# Altium PCB HSBNE-MOTOR.PcbDoc (part 1 of 3)
Units mm, origin at the board's own origin, x right, y up, seen from the top; angles counter-clockwise.
Board outline 150.03 x 100.03 mm, 2 copper layers (Top Layer, Bottom Layer); 144 components, 160 nets, 777 pads, 571 vias.
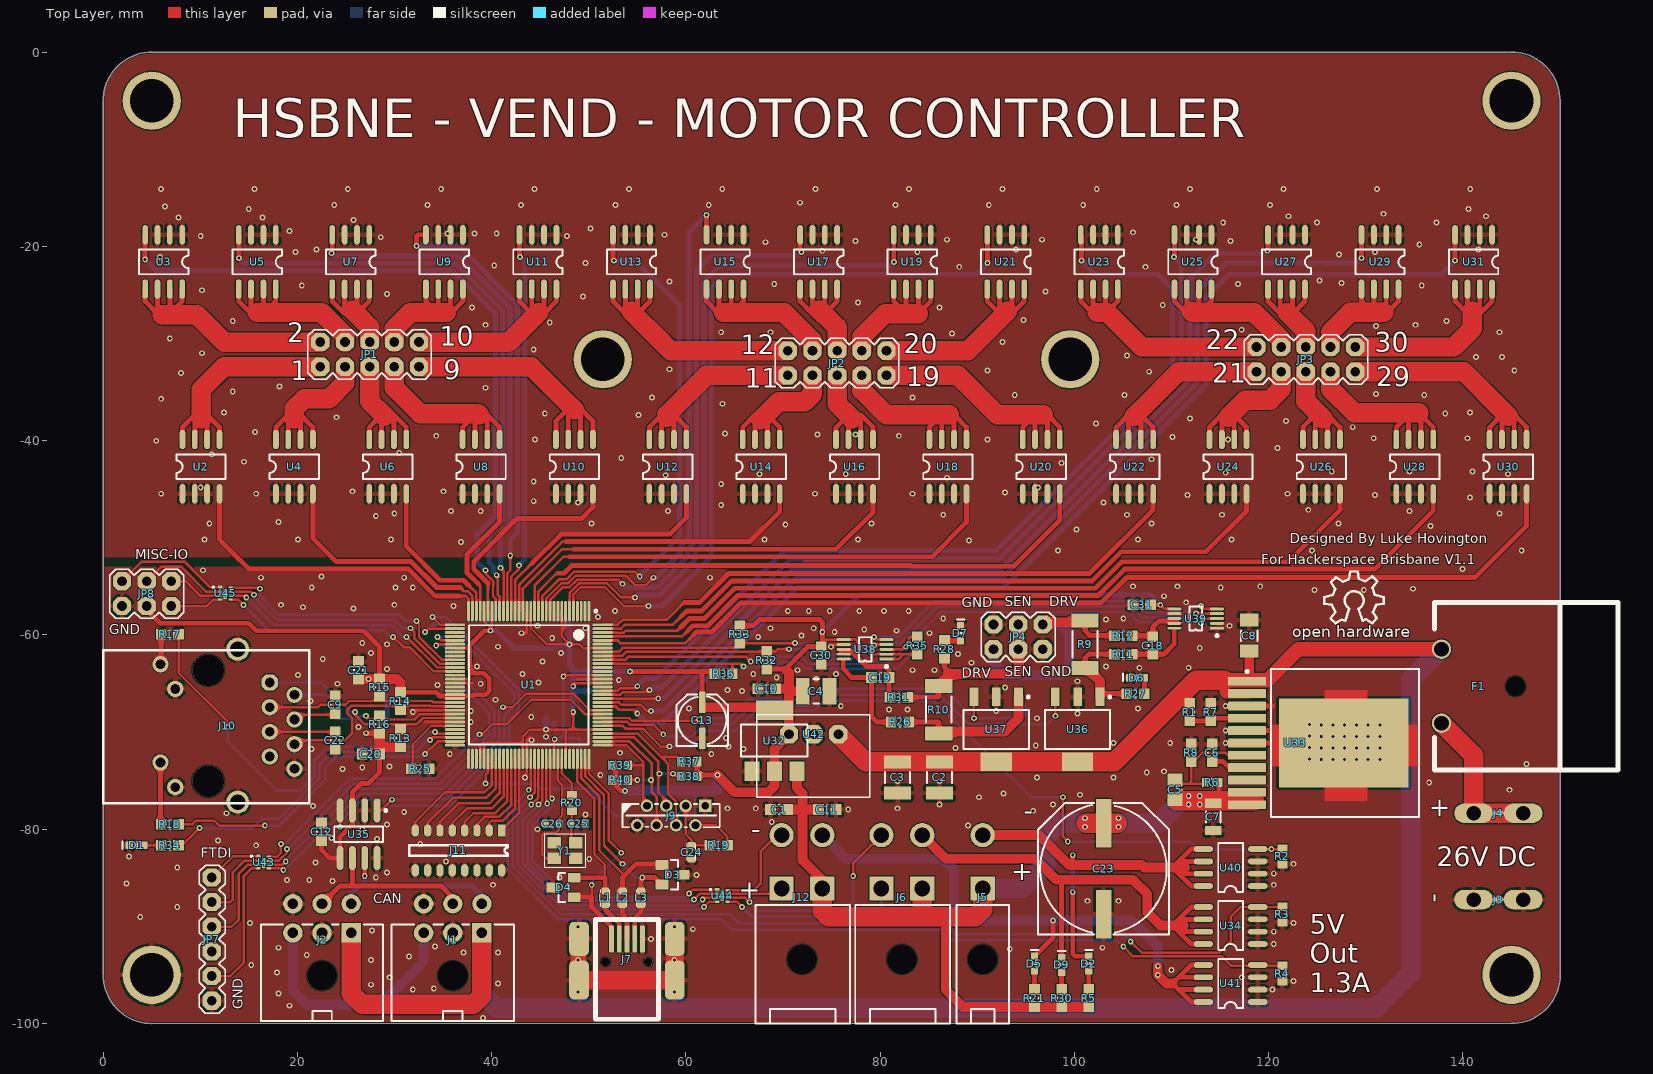
[diagram p0: Top Layer view]
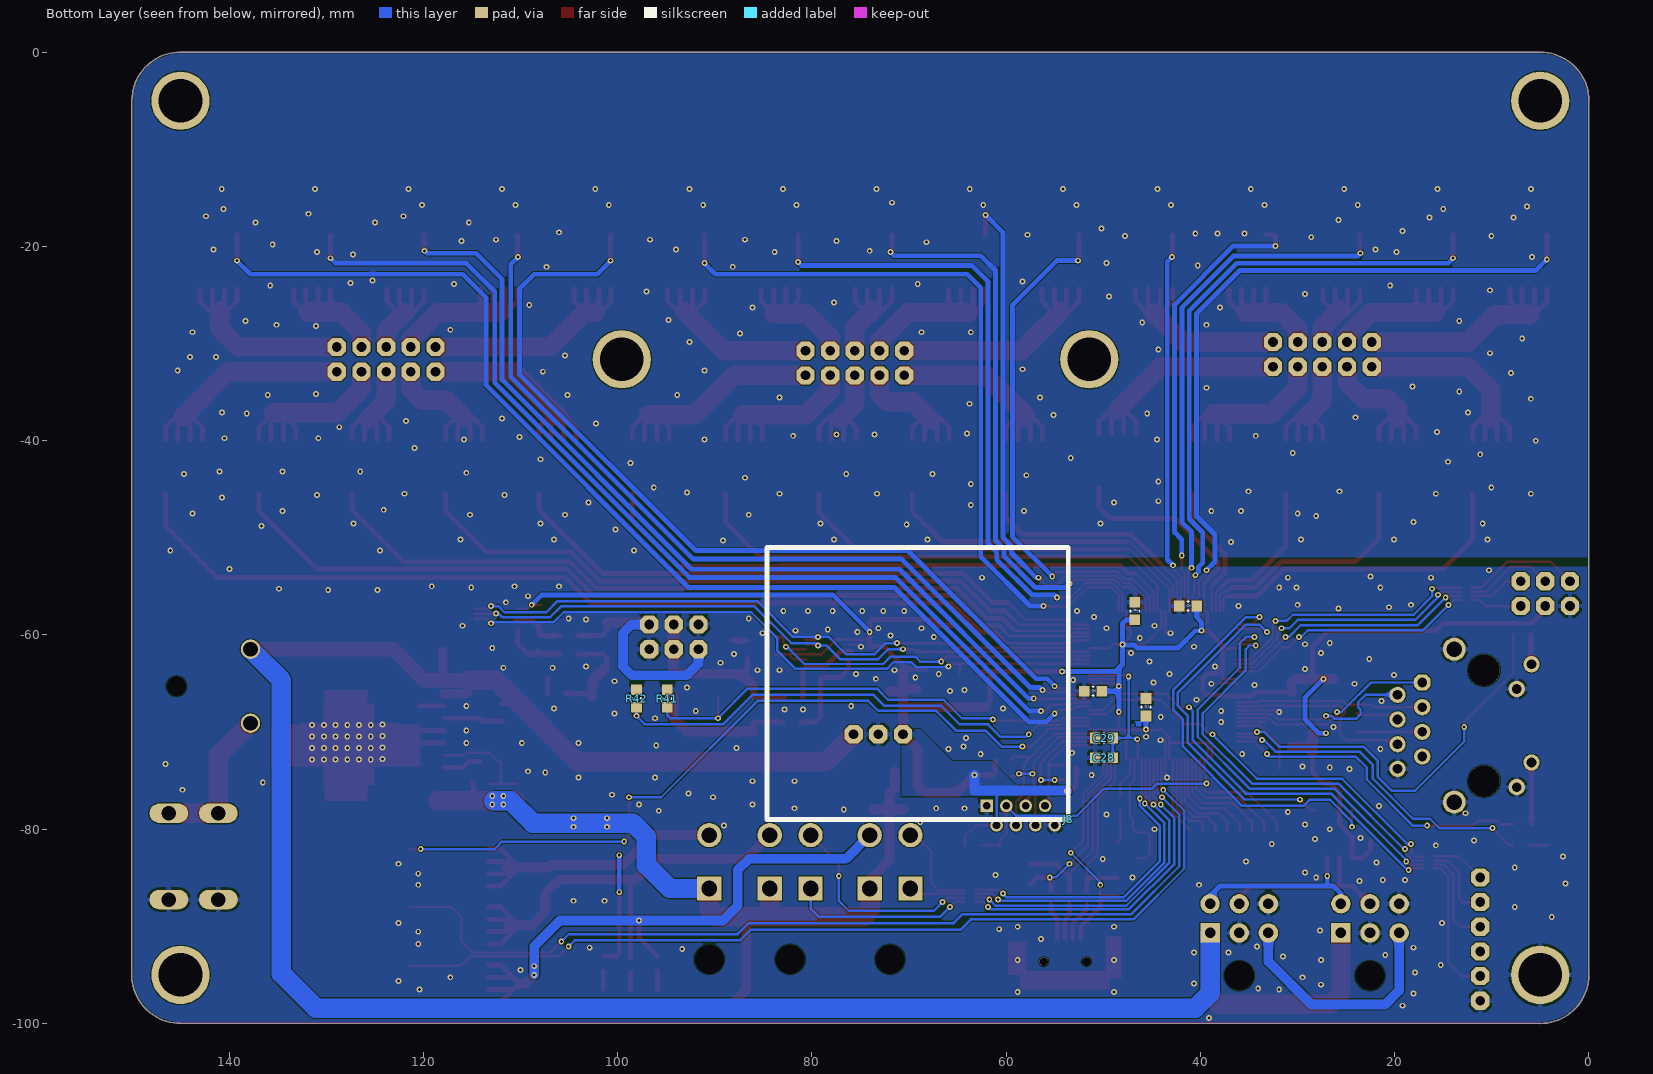
[diagram p1: Bottom Layer view, seen from below]

## Layer stack, top to bottom
Top Solder: solder mask 0.0102, Solder Resist, Dk 3.5
Top Layer: signal copper 0.0356
Dielectric 1: dielectric 0.32, FR-4, Dk 4.8
Bottom Layer: signal copper 0.0356
Bottom Solder: solder mask 0.0102, Solder Resist, Dk 3.5

## Board outline
5.004,-100.013 cw(c5.004,-95.013) 0.004,-95.013 0,-95 0,-5 -0.013,-5.004 cw(c4.987,-5.004) 4.987,-0.004 5,0 145,0 144.996,0.013 cw(c144.996,-4.987) 149.996,-4.987 150,-5 150,-95 150.013,-94.996 cw(c145.013,-94.996) 145.013,-99.996 145,-100

## Design rules (kind name [scope] priority, off if disabled: settings)
Clearance Micro [InComponent('U1') vs InNetClass('All Nets')] p1: gap=0.1 ignorepadtopadclearanceinfootprint=FALSE
Clearance [All] p2: gap=0.1 ignorepadtopadclearanceinfootprint=FALSE
ComponentClearance 3v3 [InComponent('U32') vs InComponent('U42')] p1: gap=0 collisioncheckmode=3 verticalgap=0 showdistances=FALSE
ComponentClearance [All] p2: gap=0.254 collisioncheckmode=3 verticalgap=0.254 showdistances=FALSE
DiffPairsRouting [All] p1: maxlimit=0.254 minlimit=0.254 mostfreqgap=0.254 toplayer_minwidth=0.254 toplayer_maxwidth=0.5 toplayer_prefwidth=0.381 bottomlayer_minwidth=0.254 bottomlayer_maxwidth=0.5 bottomlayer_prefwidth=0.381 maxuncoupledlength=12.7
HoleSize [All] p1: absolutevalues=TRUE maxlimit=4.5 minlimit=0.025 maxpercent=80.000 minpercent=20.000
MinimumSolderMaskSliver [All] p1: minsoldermaskwidth=0.2
PlaneClearance [All] p1: clearance=2
PlaneConnect [All] p1: planeconnectstyle=Relief reliefexpansion=0.508 reliefentries=4 reliefconductorwidth=0.5 reliefairgap=0.254
PolygonConnect via [All vs isvia] p1: connectstyle=Direct reliefconductorwidth=0.254 reliefentries=4 polygonreliefangle="90 Angle" airgapwidth=0.254
PolygonConnect [All] p2: connectstyle=Relief reliefconductorwidth=0.5 reliefentries=4 polygonreliefangle="90 Angle" airgapwidth=0.254
RoutingVias [All] p1: holewidth=0.5 width=1 viastyle="Through Hole" minholewidth=0.3 minwidth=0.6 maxholewidth=0.711 maxwidth=1.27
SilkToSolderMaskClearance [IsPad] p1: minsilkscreentomaskgap=0.127 clearancetoexposedcopper=TRUE
SolderMaskExpansion [All] p1: expansion=0.102
Width [All] p1: maxlimit=2 minlimit=0.254 preferedwidth=0.254
23 further rules are at their usual default settings.

## Classes and differential pairs
component class Power: C1 C2 C3 C4 C5 C6 C7 C8 C10 C11 C13 C14 C15 C16 C17 C23 C28 C29 F1 J3 J4 R1 R6 R7 R8 U32 U33 U42
component class MotorDrive: JP1 JP2 JP3 U2 U3 U4 U5 U6 U7 U8 U9 U10 U11 U12 U13 U14 U15 U16 U17 U18 U19 U20 U21 U22 U23 U24 U25 U26 U27 U28 U29 U30 U31
component class Micro: J11 U1
component class Crystal: C9 C20 C21 C22 C24 C25 C26 D1 J10 R13 R14 R15 R16 R17 R18 R19 R20 R25 R34 Y1
component class IO: C12 D2 D3 D4 D5 D9 J1 J2 J5 J6 J7 J8 J9 J12 JP7 JP8 L1 L2 L3 R2 R3 R4 R5 R21 R30 R37 R38 R39 R40 U34 U35 U40 U41 U43 U44 U45
component class Sense: C18 C19 C30 C31 D6 D7 JP4 R9 R10 R11 R12 R26 R27 R28 R31 R32 R33 R35 R36 R41 R42 U36 U37 U38 U39
differential pair RX: +RX_P -RX_N
differential pair TX: +TX_P -TX_N
differential pair USB: +USB_P -USB_N

## Components (designator, comment, footprint, x,y, rotation, side; value= is the part's Value field where it differs from the comment)
C1 "CAP 1uF 25V" CAPC0603(1608)100_M 69.596,-77.978 r0 top value=1uF
C2 "2.2uF 50V 1210" CAPC1210(3225)280_M 86.106,-74.676 r90 top value=2.2uF
C3 "2.2uF 50V 1210" CAPC1210(3225)280_M 81.788,-74.676 r90 top value=2.2uF
C4 "22uF 6.3V 1210" CAPC1210(3225)220_N 73.406,-65.786 r180 top value=22uF
C5 "CAP 22nF 25V" CAPC0805(2012)100_M 110.363,-75.946 r270 top value=22nF
C6 "CAP 4.7nF 50V" CAPC0603(1608)100_M 114.173,-72.136 r270 top value=4.7nF
C7 "CAP 47uF 25V" CAPC1206(3216)100_L 114.3,-78.74 r270 top value=47uF
C8 "CAP 10uF 50V" CAPC1206(3216)190_M 117.983,-60.071 r90 top value=10uF
C9 "100nF 50V 0603" CAPC0603(1608)100_M 23.876,-67.183 r90 top value=100nF
C10 "CAP 1uF 25V" CAPC0603(1608)100_M 68.326,-65.532 r0 top value=1uF
C11 "CAP 1uF 25V" CAPC0603(1608)100_M 74.549,-77.978 r180 top value=1uF
C12 "CAP 100nF 50V" CAPC0603(1608)100_M 22.479,-80.264 r270 top value=100nF
C13 "100uF" PANASONIC_C 61.468,-68.834 r90 top
C14 "CAP 100nF 50V" CAPC0603(1608)100_M 46.736,-57.531 r270 bottom value=100nF
C15 "CAP 100nF 50V" CAPC0603(1608)100_M 41.275,-57.023 r180 bottom value=100nF
C16 "CAP 100nF 50V" CAPC0603(1608)100_M 51.054,-65.786 r180 bottom value=100nF
C17 "CAP 100nF 50V" CAPC0603(1608)100_M 45.593,-67.437 r270 bottom value=100nF
C18 "CAP 1uF 25V" CAPC0603(1608)100_M 108.077,-61.087 r270 top value=1uF
C19 "CAP 1uF 25V" CAPC0603(1608)100_M 80.01,-64.389 r180 top value=1uF
C20 "CAP 100nF 50V" CAPC0603(1608)100_M 27.559,-72.263 r0 top value=100nF
C21 "CAP 100nF 50V" CAPC0603(1608)100_M 26.289,-63.627 r270 top value=100nF
C22 "100nF 50V 0603" CAPC0603(1608)100_M 23.876,-70.866 r270 top value=100nF
C23 "1000uF" PANASONIC_H13 102.997,-84.074 r90 top
C24 "DNP" 0603 60.579,-83.058 r90 top value=100nF
C25 "CAP 12pF 16V" CAPC0603(1608)100_L 48.895,-79.451 r180 top value=12pF
C26 "CAP 12pF 16V" CAPC0603(1608)100_L 46.228,-79.451 r0 top value=12pF
C28 "CAP 100nF 50V" CAPC0603(1608)100_M 49.911,-72.644 r180 bottom value=100nF
C29 "CAP 10uF 6.3V" CAPC0603(1608)100_M 49.911,-70.612 r180 bottom value=10uF
C30 "CAP 1uF 25V" CAPC0603(1608)100_M 73.914,-62.103 r270 top value=1uF
C31 "CAP 1uF 25V" CAPC0603(1608)100_M 106.934,-56.896 r180 top value=1uF
D1 "LED" LED-0603 3.429,-81.661 r180 top
D2 "LED" LED-0603 101.473,-93.842 r90 top
D3 "GSOT12C" "SOT-23 - ESD" 57.531,-83.693 r270 top
D4 "GSOT12C" "SOT-23 - ESD" 48.514,-86.995 r90 top
D5 "LED" LED-0603 95.885,-93.842 r90 top
D6 "LED" LED-0603 106.426,-64.389 r180 top
D7 "LED" LED-0603 88.265,-59.817 r90 top
D9 "LED" LED-0603 98.679,-93.969 r90 top
F1 "FUSE-2" FUSE_HOLDER 145.415,-65.278 r90 top
J1 "M43045H-6" M43045H-6 38.989,-90.678 r0 top
J2 "M43045H-6" M43045H-6 25.527,-90.678 r0 top
J3 "SPADE" SPADE-6.35-RA 141.097,-87.249 r0 top
J4 "SPADE" SPADE-6.35-RA 141.097,-78.359 r0 top
J5 "M5569-2" M5569-2 90.551,-86.106 r0 top
J6 "Header 2x2 2.54mm" "Molex 39-30-1040" 84.328,-86.106 r0 top
J7 "67503-1020" MOLX-67503-1020_V 52.324,-91.313 r90 top
J8 "HeatSink" HEATSINK 53.594,-78.994 r90 bottom locked
J9 "FH21-8S-1DSA" FH21-8S-1DSA 61.976,-77.597 r180 top
J10 "MAGJACK" magjack 19.685,-69.342 r270 top
J11 "DIP Switch 8" DIP8 41.021,-80.137 r270 top
J12 "Header 2x2 2.54mm" "Molex 39-30-1040" 74.041,-86.106 r0 top
JP1 "Header 5x2 2.54mm" 2X5 27.432,-31.115 r0 top
JP2 "Header 5x2 2.54mm" 2X5 75.565,-32.004 r0 top
JP3 "Header 5x2 2.54mm" 2X5 123.825,-31.623 r0 top
JP4 "Header 3x2 2.54mm" 2X3 94.234,-60.198 r0 top
JP7 "FTDI Header" 1X6 12.446,-88.773 r270 top
JP8 "Header 3x2 2.54mm" 2X3 4.445,-55.753 r180 top
L1 "MPZ1608S102A" 0603 51.689,-86.36 r270 top
L2 "MPZ1608S102A" 0603 53.467,-86.36 r270 top
L3 "MPZ1608S102A" 0603 55.372,-86.36 r270 top
R1 "10K 5%" RESC0603(1608)_M 111.887,-67.945 r90 top value="10000.00 Ohm"
R2 "10K 5%" RESC0603(1608)_N 121.412,-82.804 r90 top value="10000.00 Ohm"
R3 "10K 5%" RESC0603(1608)_N 121.412,-88.773 r90 top value="10000.00 Ohm"
R4 "10K 5%" RESC0603(1608)_N 121.412,-94.869 r90 top value="10000.00 Ohm"
R5 "220R 5%" RESC0603(1608)_M 101.473,-97.398 r270 top value="220.00 Ohm"
R6 "8K2 5%" RESC0603(1608)_L 114.173,-75.184 r180 top value="8200.00 Ohm"
R7 "1K5 5%" RESC0603(1608)_M 114.046,-67.945 r270 top value="1500.00 Ohm"
R8 "1K5 5%" RESC0603(1608)_M 112.014,-72.136 r270 top value="1500.00 Ohm"
R9 "0.1R 1%" RESC2010(5025)_M 101.092,-60.96 r90 top value="0.10 Ohm"
R10 "0.1R 1%" RESC2010(5025)_M 86.028,-67.691 r90 top value="0.10 Ohm"
R11 "10R 5%" RESC0603(1608)_M 105.029,-61.976 r0 top value="10.00 Ohm"
R12 "10R 5%" RESC0603(1608)_M 105.029,-60.071 r0 top value="10.00 Ohm"
R13 "49.9R 1%" RESC0603(1608)_M 30.607,-70.612 r270 top value="49.90 Ohm"
R14 "49.9R 1%" RESC0603(1608)_M 30.607,-66.802 r90 top value="49.90 Ohm"
R15 "49.9R 1%" RESC0603(1608)_M 28.448,-65.405 r90 top value="49.90 Ohm"
R16 "49.9R 1%" RESC0603(1608)_M 28.448,-69.215 r270 top value="49.90 Ohm"
R17 "220R 5%" RESC0603(1608)_M 6.858,-59.944 r0 top value="220.00 Ohm"
R18 "220R 5%" RESC0603(1608)_M 6.858,-79.502 r0 top value="220.00 Ohm"
R19 "2K43 5%" RESC0603(1608)_M 63.373,-81.661 r0 top value="2430.00 Ohm"
R20 "2K 5%" RESC0603(1608)_N 48.26,-77.292 r270 top value="2000.00 Ohm"
R21 "220R 5%" RESC0603(1608)_M 95.885,-97.398 r270 top value="220.00 Ohm"
R25 "4K87 1%" RESC0603(1608)_M 32.639,-73.787 r180 top value="4K87.00 Ohm"
R26 "10R 5%" RESC0603(1608)_M 82.042,-68.961 r180 top value="10.00 Ohm"
R27 "1K5 5%" RESC0603(1608)_M 106.299,-66.04 r180 top value="1500.00 Ohm"
R28 "1K5 5%" RESC0603(1608)_M 86.614,-61.468 r270 top value="1500.00 Ohm"
R30 "220R 5%" RESC0603(1608)_M 98.679,-97.398 r270 top value="220.00 Ohm"
R31 "10R 5%" RESC0603(1608)_M 81.915,-66.421 r180 top value="10.00 Ohm"
R32 "2K43 5%" RESC0603(1608)_M 68.326,-62.611 r270 top value="2430.00 Ohm"
R33 "2K43 5%" RESC0603(1608)_M 65.532,-59.944 r90 top value="2430.00 Ohm"
R34 "220R 5%" RESC0603(1608)_M 6.858,-81.661 r0 top value="220.00 Ohm"
R35 "2K43 5%" RESC0603(1608)_M 83.82,-61.087 r270 top value="2430.00 Ohm"
R36 "2K43 5%" RESC0603(1608)_M 63.881,-64.008 r180 top value="2430.00 Ohm"
R37 "10K 5%" RESC0603(1608)_N 60.325,-73.025 r0 top value="10000.00 Ohm"
R38 "10K 5%" RESC0603(1608)_N 60.325,-74.549 r0 top value="10000.00 Ohm"
R39 "10K 5%" RESC0603(1608)_N 53.213,-73.406 r0 top value="10000.00 Ohm"
R40 "10K 5%" RESC0603(1608)_N 53.213,-74.93 r0 top value="10000.00 Ohm"
R41 "10K 5%" RESC0603(1608)_M 94.869,-66.548 r270 bottom value="10000.00 Ohm"
R42 "10K 5%" RESC0603(1608)_M 98.044,-66.548 r270 bottom value="10000.00 Ohm"
U1 "TM4C1294NCPDTI3R" TI-PDT128_M 43.815,-65.151 r270 top
U2 "ZXMS6004N8" SO-8 8.161,-45.466 r90 top
U3 "ZXMS6004N8" SO-8 8.128,-18.796 r270 top
U4 "ZXMS6004N8" SO-8 17.774,-45.466 r90 top
U5 "ZXMS6004N8" SO-8 17.762,-18.796 r270 top
U6 "ZXMS6004N8" SO-8 27.388,-45.466 r90 top
U7 "ZXMS6004N8" SO-8 27.396,-18.796 r270 top
U8 "ZXMS6004N8" SO-8 37.001,-45.466 r90 top
U9 "ZXMS6004N8" SO-8 37.03,-18.796 r270 top
U10 "ZXMS6004N8" SO-8 46.609,-45.466 r90 top
U11 "ZXMS6004N8" SO-8 46.663,-18.796 r270 top
U12 "ZXMS6004N8" SO-8 56.228,-45.466 r90 top
U13 "ZXMS6004N8" SO-8 56.297,-18.796 r270 top
U14 "ZXMS6004N8" SO-8 65.841,-45.466 r90 top
U15 "ZXMS6004N8" SO-8 65.931,-18.796 r270 top
U16 "ZXMS6004N8" SO-8 75.454,-45.466 r90 top
U17 "ZXMS6004N8" SO-8 75.565,-18.796 r270 top
U18 "ZXMS6004N8" SO-8 85.068,-45.466 r90 top
U19 "ZXMS6004N8" SO-8 85.199,-18.796 r270 top
U20 "ZXMS6004N8" SO-8 94.681,-45.466 r90 top
U21 "ZXMS6004N8" SO-8 94.833,-18.796 r270 top
U22 "ZXMS6004N8" SO-8 104.295,-45.466 r90 top
U23 "ZXMS6004N8" SO-8 104.467,-18.796 r270 top
U24 "ZXMS6004N8" SO-8 113.908,-45.466 r90 top
U25 "ZXMS6004N8" SO-8 114.1,-18.796 r270 top
U26 "ZXMS6004N8" SO-8 123.521,-45.466 r90 top
U27 "ZXMS6004N8" SO-8 123.734,-18.796 r270 top
U28 "ZXMS6004N8" SO-8 133.135,-45.466 r90 top
U29 "ZXMS6004N8" SO-8 133.368,-18.796 r270 top
U30 "ZXMS6004N8" SO-8 142.748,-45.466 r90 top
U31 "ZXMS6004N8" SO-8 143.002,-18.796 r270 top
U32 "AZ1117EH-3.3TRG1" SOT-223 66.802,-74.041 r0 top
U33 "LMZ23610TZ/NOPB" NDY0011A_M 125.476,-71.12 r0 top
U34 "ZXMS6004N8" SO-8 118.872,-91.821 r180 top
U35 "SN65HVD234D" D8_M 26.289,-80.518 r270 top
U36 "ITS4200S-ME-O" INF-SOT223_M 100.33,-69.723 r270 top
U37 "ITS4200S-ME-O" INF-SOT223_M 91.948,-69.723 r270 top
U38 "ina226" SP10 80.645,-62.484 r180 top
U39 "ina226" SP10 114.681,-59.309 r180 top
U40 "ZXMS6004N8" SO-8 118.872,-85.852 r180 top
U41 "ZXMS6004N8" SO-8 118.872,-97.79 r180 top
U42 "R-78E3.3-0.5" Buck_mod 75.692,-70.231 r180 top
U43 "NUF4001MUT2G" ONSC-UDFN-8-517AD_V 16.51,-83.439 r0 top
U44 "NUF4001MUT2G" ONSC-UDFN-8-517AD_V 63.754,-86.868 r0 top
U45 "NUF4001MUT2G" ONSC-UDFN-8-517AD_V 12.573,-55.753 r0 top
Y1 "25MHz" "CRYSTAL 3.2X2.5" 49.657,-80.467 r180 top

## Footprints (in the part's own frame and the unit in brackets; to place one, negate y for a bottom-side part, rotate by r counter-clockwise, add the part's x,y. Pads: shape width x height; smd on the part's side, far side on the other; paste and mask are expansions set on the pad)
1X6 [mil]
  oct 74x74 hole 39.37: 1(-150,-50) 2(-50,-50) 3(50,-50) 4(150,-50) 5(250,-50) 6(350,-50)
  silkscreen extent -200,-101 400,4, body extent -200,-100 400,0, height 298
2X3 [mil]
  oct 74x74 hole 39.37: 1(-101.18,-50) 2(-101.18,50) 3(-1.18,-50) 4(-1.18,50) 5(98.82,-50) 6(98.82,50)
  silkscreen extent -151,-100 149,100, body extent -150,-100 150,100, height 330
2X5 [mil]
  oct 74x74 hole 39.37: 1(-200,-50) 2(-200,50) 3(-100,-50) 4(-100,50) 5(0,-50) 6(0,50) 7(100,-50) 8(100,50) 9(200,-50) 10(200,50)
  silkscreen extent -250,-100 250,100, body extent -242,-95 242,95, height 397
0603 [mm]
  rect 0.7x0.8 smd paste+0 mask+0.1: 1(0,0) 2(1.4,0)
  silkscreen extent -0.15,-0.45 1.55,0.45, body extent -0.15,-0.45 1.55,0.45, height 0.53
Buck_mod [mil]
  oct 74x74 hole 40: 1(0,0) 2(100,0) 3(200,0)
  silkscreen extent -126,-79 330,256, body extent -125,-80 330,255, height 409
CAPC0603(1608)100_L [mm] "Chip Capacitor, Body 1.6x0.8mm, Height 1.0mm, IPC High Density"
  rect 0.7x0.9 smd: 1(-0.7,0) 2(0.7,0)
  silkscreen extent -0.05,-0.35 0.05,0.35, body extent -0.87,-0.47 0.88,0.48, height 1
CAPC0603(1608)100_M [mm] "Chip Capacitor, Body 1.6x0.8mm, Height 1.0mm, IPC Low Density"
  rect 1.1x1.1 smd: 1(-0.9,0) 2(0.9,0)
  silkscreen extent -0.05,-0.45 0.05,0.45, body extent -0.87,-0.47 0.88,0.48, height 1
CAPC0805(2012)100_M [mm] "Chip Capacitor, Body 2.0x1.2mm, Height 1.0mm, IPC Low Density"
  rect 1.35x1.55 smd: 1(-1,0) 2(1,0)
  silkscreen extent -0.05,-0.67 0.05,0.67, body extent -1.1,-0.72 1.1,0.72, height 1
CAPC1206(3216)100_L [mm] "Chip Capacitor, Body 3.2x1.6mm, Height 1mm, IPC High Density"
  rect 0.95x1.7 smd: 1(-1.4,0) 2(1.4,0)
  silkscreen extent -0.55,-0.75 0.55,0.75, body extent -1.7,-0.9 1.7,0.9, height 1
CAPC1206(3216)190_M [mm] "Chip Capacitor, Body 3.2x1.6mm, Height 1.9mm, IPC Low Density"
  rect 1.35x1.9 smd: 1(-1.6,0) 2(1.6,0)
  silkscreen extent -0.55,-0.85 0.55,0.85, body extent -1.7,-0.9 1.7,0.9, height 1.9
CAPC1210(3225)220_N [mm] "Chip Capacitor, Body 3.2x2.5mm, Height 2.2mm, IPC Medium Density"
  rect 1.4x2.7 smd: 1(-1.375,0) 2(1.375,0)
  silkscreen extent -0.3,-1.25 0.3,1.25, body extent -1.7,-1.35 1.7,1.35, height 2.2
CAPC1210(3225)280_M [mm] "Chip Capacitor, Body 3.2x2.5mm, Height 2.8mm, IPC Low Density"
  rect 1.35x2.8 smd: 1(-1.6,0) 2(1.6,0)
  silkscreen extent -0.55,-1.3 0.55,1.3, body extent -1.7,-1.4 1.7,1.4, height 2.8
"CRYSTAL 3.2X2.5" [mm]
  rect 1.4x1.2 smd: 1(1.016,0.94) 2(3.216,0.94) 3(3.216,2.54) 4(1.016,2.54)
  silkscreen extent 0,0 4.19,3.43, body extent 0.77,0.78 3.29,2.78, height 0.56
D8_M [mm] "SOIC, 8-Leads, Body 4.9x3.9mm, Pitch 1.27mm, IPC Low Density"
  oval 2.5x0.7 smd: 1(-2.45,1.905) 2(-2.45,0.635) 3(-2.45,-0.635) 4(-2.45,-1.905) 5(2.45,-1.905) 6(2.45,-0.635) 7(2.45,0.635) 8(2.45,1.905)
  silkscreen extent -2.57,-2.5 0.8,2.93, body extent -2,-2.5 2,2.5, height 1.75
DIP8 [mm]
  rect 1.27x0.76 smd: 1(0,0)
  oval 1.27x0.76 smd: 2(0,-1.27) 3(0,-2.54) 4(0,-3.81) 5(0,-5.08) 6(0,-6.35) 7(0,-7.62) 8(0,-8.89) 9(4.1,-8.89) 10(4.1,-7.62) 11(4.1,-6.35) 12(4.1,-5.08) 13(4.1,-3.81) 14(4.1,-2.54) 15(4.1,-1.27) 16(4.1,0)
  silkscreen extent 1.52,-9.53 2.58,0.64, body extent -0.77,-10.3 4.83,1.4, height 2.42
FH21-8S-1DSA [mm]
  rect 1.3x1.3 hole 0.8: 1(0,0)
  round 1.3 hole 0.8: 2(1,2) 3(2,0) 4(3,2) 5(4,0) 6(5,2) 7(6,0) 8(7,2)
  silkscreen extent -1.5,-0.2 8.5,2.2
FUSE_HOLDER [mm] "01530007Z"
  round 0 hole 2 unplated: 0(0,0)
  round 2 hole 1.5: 1(-3.81,7.62) 2(3.81,7.62)
  silkscreen extent -8.64,-10.54 8.64,8.33